# KiCad board beelzebub_expansion_board.kicad_pcb
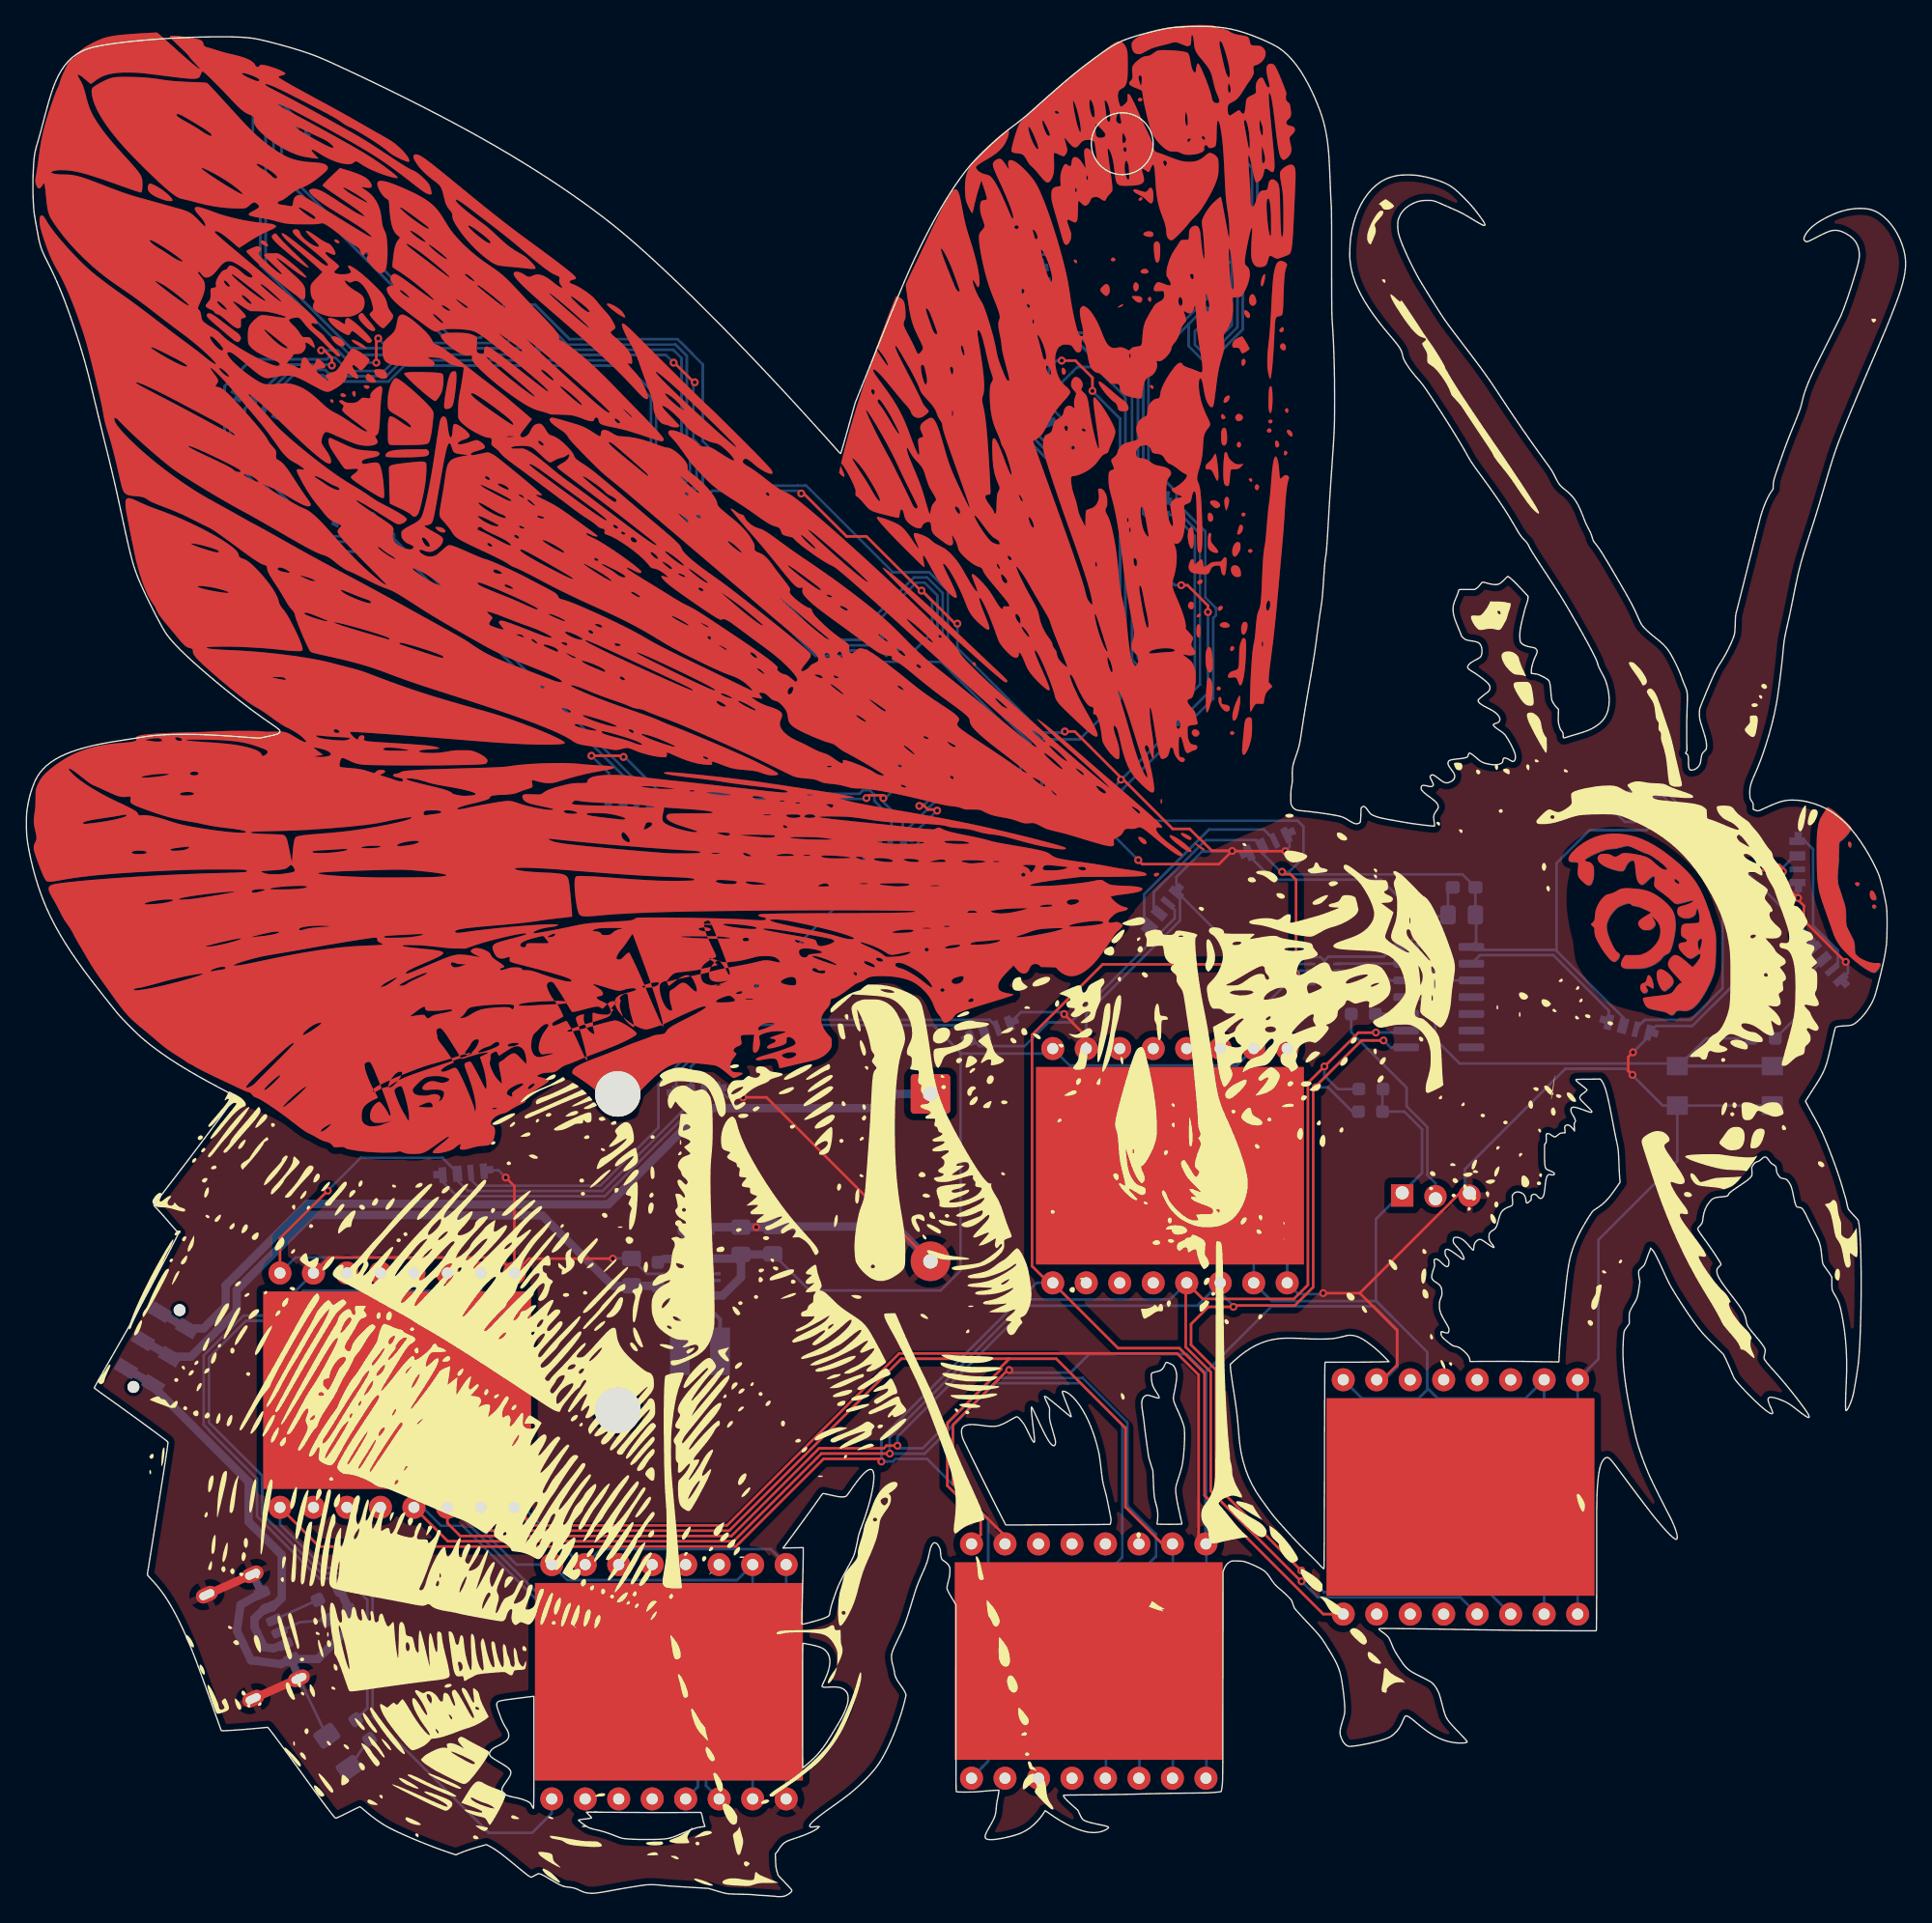
[diagram p0: board, top side]
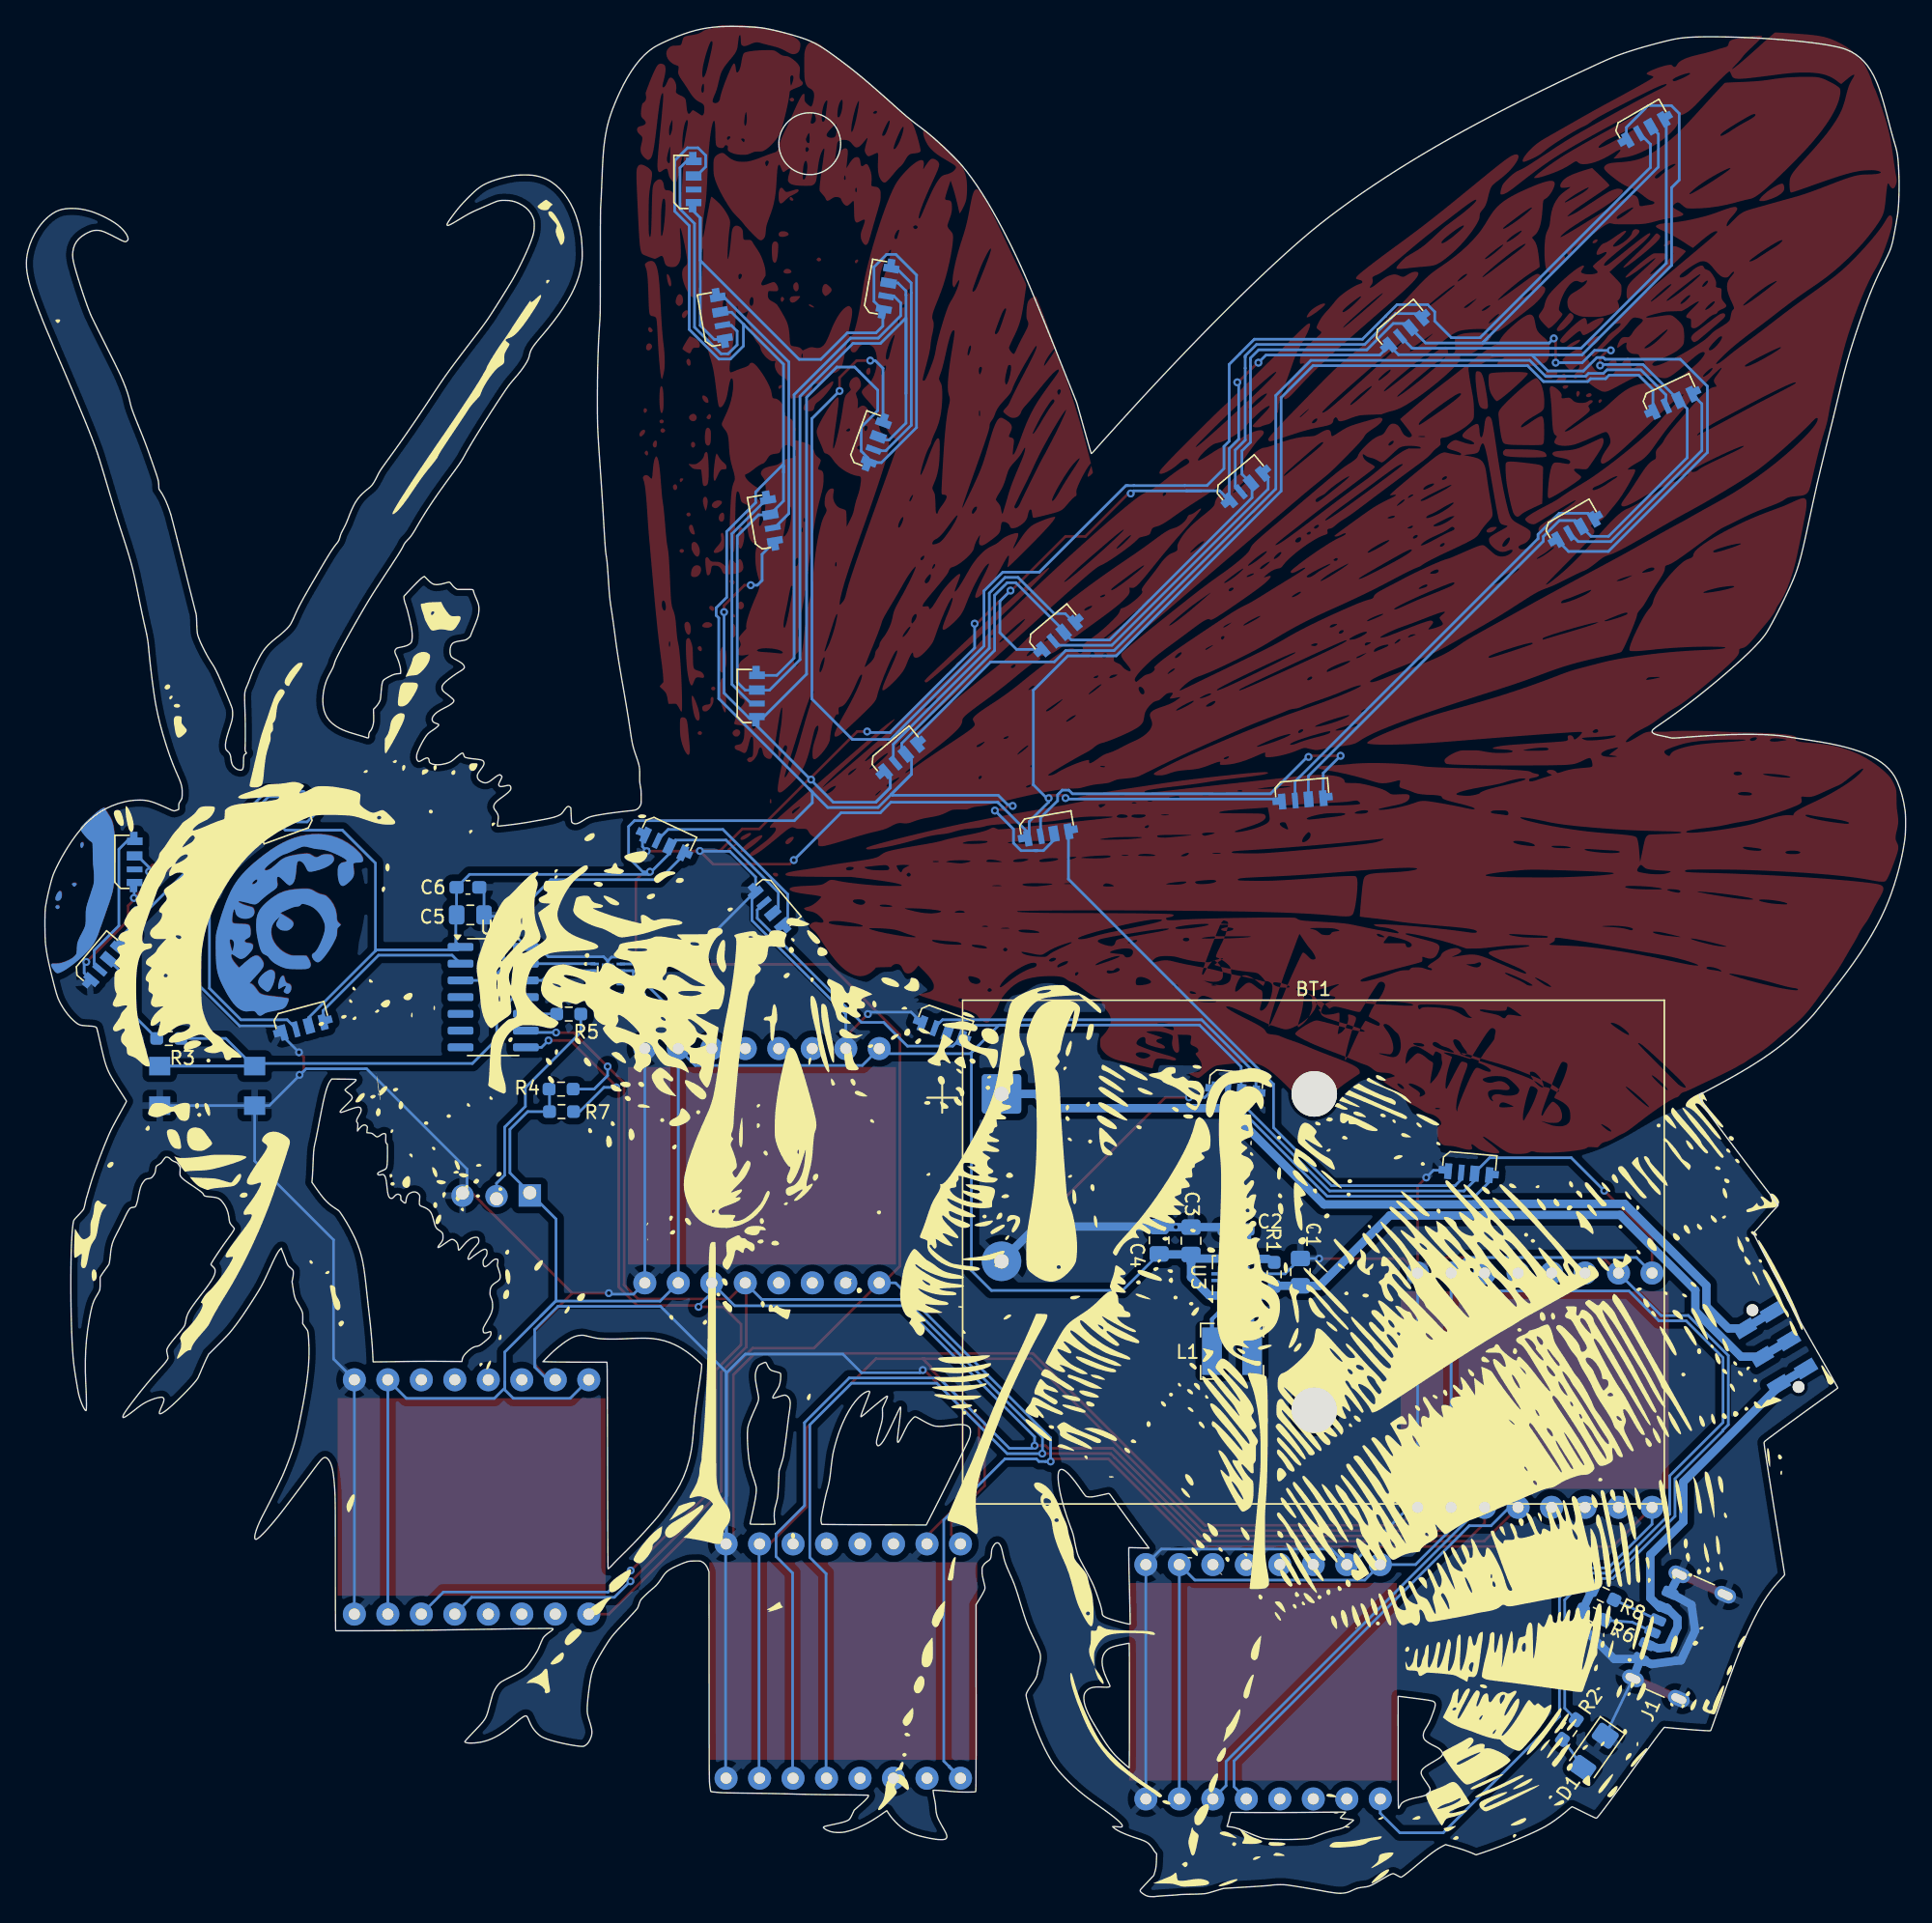
[diagram p1: board, bottom side, seen from below]

Outline 142.53 x 141.91 mm; copper layers: Top, Bottom. Coordinates in mm from the lower left corner of the outline.
Outline path: circle c83.12,133.01 r2.35

## Placement (name value [footprint] x y rotation side)
BT1  Battery  [BatteryHolder_Keystone_2479_3xAAA]  68.57 60.91 180 bottom
C1  10uF  [C_0805_2012Metric_Pad1.18x1.45mm_HandSolder]  45.9 47.39 90 bottom
C2  0.1uF  [C_0603_1608Metric_Pad1.08x0.95mm_HandSolder]  50.79 50.63 0 bottom
C3  10uF  [C_0805_2012Metric_Pad1.18x1.45mm_HandSolder]  54.2 49.76 90 bottom
C4  10uF  [C_0805_2012Metric_Pad1.18x1.45mm_HandSolder]  56.62 49.81 90 bottom
C5  10uF  [C_0805_2012Metric_Pad1.18x1.45mm_HandSolder]  108.86 74.49 180 bottom
C6  0.1uF  [C_0603_1608Metric_Pad1.08x0.95mm_HandSolder]  109.04 76.58 180 bottom
D1  LED  [LED_1206_3216Metric_Pad1.42x1.75mm_HandSolder]  23.64 10.99 305 bottom
D2  WS2812_4020  [sk6812-side-a]  93.54 81.32 25 bottom
D3  WS2812_4020  [sk6812-side-a]  77.22 87.56 320 bottom
D4  WS2812_4020  [sk6812-side-a]  85.05 76 50 bottom
D5  WS2812_4020  [sk6812-side-a]  65.25 96.81 320 bottom
D6  WS2812_4020  [sk6812-side-a]  72.61 67.19 20 bottom
D7  WS2812_4020  [sk6812-side-a]  51.04 108.13 320 bottom
D8  WS2812_4020  [sk6812-side-a]  50.75 62.67 5 bottom
D9  WS2812_4020  [sk6812-side-a]  38.96 119.93 320 bottom
D10  WS2812_4020  [sk6812-side-a]  33.05 56.46 5 bottom
D11  WS2812_4020  [sk6812-side-a]  65.36 82.1 350 bottom
D12  WS2812_4020  [sk6812-side-a]  45.92 84.78 355 bottom
D13  WS2812_4020  [sk6812-side-a]  25.84 105.07 330 bottom
D14  WS2812_4020  [sk6812-side-a]  18.34 114.75 335 bottom
D15  WS2812_4020  [sk6812-side-a]  121.99 67.46 345 bottom
D16  WS2812_4020  [sk6812-side-a]  20.54 135.41 330 bottom
D17  WS2812_4020  [sk6812-side-a]  122.53 80.52 160 bottom
D18  WS2812_4020  [sk6812-side-a]  79.57 110.83 290 bottom
D19  WS2812_4020  [sk6812-side-a]  78.78 122.22 280 bottom
D20  WS2812_4020  [sk6812-side-a]  88.7 91.05 270 bottom
D21  WS2812_4020  [sk6812-side-a]  87.56 104.1 260 bottom
D22  WS2812_4020  [sk6812-side-a]  91.36 119.47 260 bottom
D23  WS2812_4020  [sk6812-side-a]  93.49 130.05 270 bottom
D24  WS2812_4020  [sk6812-side-a]  137.83 71.75 310 bottom
D25  WS2812_4020  [sk6812-side-a]  135.89 78.46 270 bottom
J1  USB_C_Receptacle_USB2.0_14P  [USB_C_Receptacle_GCT_USB4125-xx-x-0190_6P_TopMnt_Horizontal]  16.18 19.29 114 bottom
J3  Conn_01x03_Pin  [night_evil_ai_updi]  106.85 53.4 180 bottom
L1  SRN4018-2R2M  [L_Bourns-SRN4018]  51.09 41.38 0 bottom
MB1  MiniBadge_Full  [MiniBadge_Slot_Reflective]  17.96 48.59 0 top
MB2  MiniBadge_Full  [MiniBadge_Slot_Reflective]  76.58 65.62 0 top
MB3  MiniBadge_Full  [MiniBadge_Slot_Reflective]  98.61 40.49 0 top
MB4  MiniBadge_Full  [MiniBadge_Slot_Reflective]  70.42 28.03 0 top
MB5  MiniBadge_Full  [MiniBadge_Slot_Reflective]  38.58 26.47 0 top
R1  100 ohm  [R_0603_1608Metric_Pad0.98x0.95mm_HandSolder]  47.89 47.21 90 bottom
R2  15 ohm  [R_0603_1608Metric_Pad0.98x0.95mm_HandSolder]  25.51 12.68 305 bottom
R3  100k ohm  [R_0603_1608Metric_Pad0.98x0.95mm_HandSolder]  131.73 65.11 180 bottom
R4  4.7k ohm  [R_0603_1608Metric_Pad0.98x0.95mm_HandSolder]  101.98 61.27 180 bottom
R5  220 ohm  [R_0603_1608Metric_Pad0.98x0.95mm_HandSolder]  101.4 66.97 0 bottom
R6  5.1k  [R_0603_1608Metric_Pad0.98x0.95mm_HandSolder]  23.67 21.36 205 bottom
R7  4.7k ohm  [R_0603_1608Metric_Pad0.98x0.95mm_HandSolder]  101.95 59.56 180 bottom
R8  5.1k  [R_0603_1608Metric_Pad0.98x0.95mm_HandSolder]  22.94 22.91 205 bottom
REF**  -  [beelzebub_expansion_board_inner_cuts]  78 70.2 0 top
REF**#2  -  [beelzebub_main_front_silk]  71.08 61.83 0 top
REF**#3  -  [beelzebub_main_mask]  67.82 83.27 0 top
REF**#4  -  [beelzebub_expansion_edge_cut]  81.91 82.52 0 top
REF**#5  -  [beelzebub_back_silk]  28.6 70.31 0 top
REF**#6  -  [beelzebub_main_mask]  68.01 83.59 0 top
REF**#7  -  [beelzebub_main_front_copper]  56.15 97.77 0 top
SW1  SW_DPDT  [js202011jaqn]  9.7 42.27 329 bottom
SW2  SW_Push  [button_switch_TL3305A]  128.82 61.02 180 bottom
U1  ATtiny814-SS  [SOIC-14_3.9x8.7mm_P1.27mm]  107.13 68.25 180 bottom
U3  TPS63001DRCR  [Texas_DRC0010J]  50.96 47.01 90 bottom
U4  A3910EEETR-T  [DFN-8_ALM]  98.44 70 180 bottom

## Library data of the parts
C1-C6 = -: Description: Unpolarized capacitor; ki_fp_filters: C_*
D1 = -: ki_fp_filters: LED* LED_SMD:* LED_THT:*
D2-D25 = -: Datasheet: https://datasheet.lcsc.com/lcsc/2012110135_Worldsemi-WS2812B-4020_C965557.pdf; Description: 4020 SMD adressable RGB LED with integrated controller; ki_fp_filters: LED*SK6812MINI*PLCC*3.5x3.5mm*P1.75mm*
J1 = -: Datasheet: https://www.usb.org/sites/default/files/documents/usb_type-c.zip; Description: USB 2.0-only 14P Type-C Receptacle connector; ki_fp_filters: USB*C*Receptacle*
J3 = -: Description: Generic connector, single row, 01x03, script generated; ki_fp_filters: Connector*:*_1x??_*
L1 = -: ki_fp_filters: IND_BOURNS_SRN4018
R1-R5 R7 = -: ki_fp_filters: R_*
R6 R8 = -: Description: Resistor, US symbol; ki_fp_filters: R_*
SW2 = -: Description: Push button switch, generic, two pins
U1 = -: Datasheet: http://ww1.microchip.com/downloads/en/DeviceDoc/40001912A.pdf; Description: 20MHz, 8kB Flash, 512B SRAM, 128B EEPROM, SOIC-14; ki_fp_filters: SOIC*3.9x8.7mm*P1.27mm*
U3 = -: ki_fp_filters: DRC0010J
U4 = -: ki_fp_filters: DFN-8_ALM DFN-8_ALM-M DFN-8_ALM-L

## Footprints (pads in the part's own frame, mm; a bottom-side part is the same pattern mirrored in y, then rotated)
BatteryHolder_Keystone_2479_3xAAA
  round 3.45 hole 3.45 unplated: (23.72,-24) (23.72,0)
  rrect 3x3 hole 1.1: 1(0,0)
  round 3 hole 1.1: 2(0,-12.7)
button_switch_TL3305A
  rect 1.6x1.4 smd: 1(-3.6,2) 1(3.6,2) 2(-3.6,-1) 2(3.6,-1)
C_0603_1608Metric_Pad1.08x0.95mm_HandSolder
  rrect 1.075x0.95 smd: 1(-0.863,0) 2(0.863,0)
C_0805_2012Metric_Pad1.18x1.45mm_HandSolder
  rrect 1.175x1.45 smd: 1(-1.038,0) 2(1.038,0)
DFN-8_ALM
  rect 0.635x0.203 smd: 1(-0.991,0.762) 2(-0.991,0.254) 3(-0.991,-0.254) 4(-0.991,-0.762) 5(0.991,-0.762) 6(0.991,-0.254) 7(0.991,0.254) 8(0.991,0.762)
  rect 0.889x1.6 smd: 9(0,0)
js202011jaqn
  round 0.9 hole 0.9 unplated: (0.5,-2.9) (0.5,3.9)
  rect 1.6x1 smd: 1(-0.7,3) 1(1.7,3) 2(-0.7,0.5) 2(1.7,0.5) 3(-0.7,-2) 3(1.7,-2)
L_Bourns-SRN4018
  rect 1.5x3.6 smd: 1(-1.525,0) 2(1.525,0)
LED_1206_3216Metric_Pad1.42x1.75mm_HandSolder
  rrect 1.425x1.75 smd: 1(-1.488,0) 2(1.488,0)
MiniBadge_Slot_Reflective
  round 1.75 hole 0.85: 1(1.27,-1.27) 2(3.81,-1.27) 3(6.35,-1.27) 4(8.89,-1.27) 5(11.43,-1.27) 6(13.97,-1.27) 7(16.51,-1.27) 8(19.05,-1.27) 9(1.27,-19.05) 10(3.81,-19.05) 11(6.35,-19.05) 12(8.89,-19.05) 13(11.43,-19.05) 14(13.97,-19.05) 15(16.51,-19.05) 16(19.05,-19.05)
night_evil_ai_updi
  rect 1.7x1.7 hole 1: 1(2.5,0)
  oval 1.7x1.7 hole 1: 2(-0.025,-0.458) 3(-2.601,-0.017)
R_0603_1608Metric_Pad0.98x0.95mm_HandSolder
  rrect 0.975x0.95 smd: 1(-0.912,0) 2(0.912,0)
sk6812-side-a
  custom 1.003x1.188 smd: 1(-1.618,1.543)
  custom 0.704x1.193 smd: 2(-0.491,1.506)
  custom 0.443x1.187 smd: 3(0.521,1.484)
  custom 1.002x1.193 smd: 4(1.605,1.499)
SOIC-14_3.9x8.7mm_P1.27mm
  rrect 1.95x0.6 smd: 1(-2.475,3.81) 2(-2.475,2.54) 3(-2.475,1.27) 4(-2.475,0) 5(-2.475,-1.27) 6(-2.475,-2.54) 7(-2.475,-3.81) 8(2.475,-3.81) 9(2.475,-2.54) 10(2.475,-1.27) 11(2.475,0) 12(2.475,1.27) 13(2.475,2.54) 14(2.475,3.81)
Texas_DRC0010J
  rrect 0.25x0.34 smd: (-0.25,-1.53) (-0.25,1.53) (0.25,-1.53) (0.25,1.53)
  rrect 1.5x1.06 smd: (0,-0.63) (0,0.63)
  rrect 0.6x0.24 smd: 1(-1.4,1) 2(-1.4,0.5) 3(-1.4,0) 4(-1.4,-0.5) 5(-1.4,-1) 6(1.4,-1) 7(1.4,-0.5) 8(1.4,0) 9(1.4,0.5) 10(1.4,1)
  custom 1.65x3.4 smd: 11(0,0)
USB_C_Receptacle_GCT_USB4125-xx-x-0190_6P_TopMnt_Horizontal
  rrect 0.7x1.2 smd: A5(-0.5,3.08) B5(0.5,3.08)
  rrect 0.76x1.2 smd: A9(1.52,3.08) B9(-1.52,3.08)
  rrect 0.8x1.2 smd: A12(2.75,3.08) B12(-2.75,3.08)
  oval 1.1x1.7 hole 0.6x1.2: S1(-4.32,-0.8) S1(-4.32,3) S1(4.32,-0.8) S1(4.32,3)

## Nets
+3V3: C3.1 C4.1 C5.1 C6.1 D2.2 D3.2 D4.2 D5.2 D6.2 D7.2 D8.2 D9.2 D10.2 D11.2 D12.2 D13.2 D14.2 D15.2 D16.2 D17.2 D18.2 D19.2 D20.2 D21.2 D22.2 D23.2 D24.2 D25.2 J3.1 MB1.1 MB1.7 MB1.15 MB2.1 MB2.7 MB2.15 MB3.1 MB3.7 MB3.15 MB4.1 MB4.7 MB4.15 MB5.1 MB5.7 MB5.15 R2.1 R3.1 R4.1 R7.1 U1.1 U3.1 U3.10 U4.7
GND: BT1.2 C1.2 C2.2 C3.2 C4.2 C5.2 C6.2 D1.1 D2.4 D3.4 D4.4 D5.4 D6.4 D7.4 D8.4 D9.4 D10.4 D11.4 D12.4 D13.4 D14.4 D15.4 D16.4 D17.4 D18.4 D19.4 D20.4 D21.4 D22.4 D23.4 D24.4 D25.4 J1.A12 J1.B12 J1.S1 J3.3 MB1.2 MB1.8 MB1.16 MB2.2 MB2.8 MB2.16 MB3.2 MB3.8 MB3.16 MB4.2 MB4.8 MB4.16 MB5.2 MB5.8 MB5.16 R6.1 R8.1 SW2.2 U1.14 U3.3 U3.9 U3.11 U4.6 U4.9
VBUS: J1.A9 J1.B9 SW1.1
BATT: BT1.1 SW1.3
BUTTON: R3.2 SW2.1 U1.11
EYE_LED_ARRAY: D15.1 U1.2
MAIN_LED_ARRAY: D2.1 U1.3
MB_CLOCK: MB1.9 MB2.9 MB3.9 MB4.9 MB5.9 U4.8
MB_CLOCK_H: U1.13 U4.1
MB_CLOCK_L: U1.12 U4.2
PA6: U1.4
PA7: U1.5
PB2: U1.7
PB3: U1.6
SCL: MB1.13 MB2.13 MB3.13 MB4.13 MB5.13 R4.2 U1.9
SDA: MB1.14 MB2.14 MB3.14 MB4.14 MB5.14 R7.2 U1.8
UPDI: J3.2 R5.1
Net-(D1-A): D1.2 R2.2
Net-(D2-DOUT): D2.3 D4.1
Net-(D3-DOUT): D3.3 D5.1
Net-(D4-DOUT): D4.3 D6.1
Net-(D5-DOUT): D5.3 D7.1
Net-(D6-DOUT): D6.3 D8.1
Net-(D7-DOUT): D7.3 D9.1
Net-(D10-DIN): D8.3 D10.1
Net-(D10-DOUT): D10.3 D11.1
Net-(D11-DOUT): D11.3 D12.1
Net-(D12-DOUT): D12.3 D13.1
Net-(D13-DOUT): D13.3 D14.1
Net-(D14-DOUT): D3.1 D14.3
Net-(D15-DOUT): D15.3 D17.1
Net-(D16-DIN): D9.3 D16.1
Net-(D16-DOUT): D16.3 D18.1
Net-(D17-DOUT): D17.3 D24.1
Net-(D18-DOUT): D18.3 D19.1
Net-(D19-DOUT): D19.3 D20.1
Net-(D20-DOUT): D20.3 D21.1
Net-(D21-DOUT): D21.3 D22.1
Net-(D22-DOUT): D22.3 D23.1
Net-(D24-DOUT): D24.3 D25.1
Net-(J1-CC1): J1.A5 R6.2
Net-(J1-CC2): J1.B5 R8.2
Net-(SW1-B): C1.1 R1.1 SW1.2 U3.5
Net-(U1-~{RESET}/PA0): R5.2 U1.10
Net-(U3-EN): C2.1 R1.2 U3.6 U3.7 U3.8
Net-(U3-L1): L1.1 U3.4
Net-(U3-L2): L1.2 U3.2

Pads without a net: D23 3; D25 3; MB1 3 4 5 6 10 11 12; MB2 3 4 5 6 10 11 12; MB3 3 4 5 6 10 11 12; MB4 3 4 5 6 10 11 12; MB5 3 4 5 6 10 11 12; U4 3 4 5

## Via types
v1: diameter 0.6, hole 0.3, Top to Bottom, 64 vias

## Routing (per net, layer and track width the routed paths; a pad name or vN(x,y) marks a point on that pad's centre or on a via; arc(x,y) is an arc through that point)
+3V3: length 942.8
  Top w0.2: 74.43,40.82 78.11,40.82 83.36,35.56 83.36,29.56 86.16,26.76 MB4.7 86.93,27.04 ; 74.43,40.82 66.36,40.82 53.31,27.77 35.26,27.77 34.47,28.55 MB1.15 ; 74.43,40.82 74.44,40.81 74.55,40.81 74.3,40.56 74.3,40.56 73.94,40.2 73.94,40.03 69.87,35.96 69.87,35.63 69.85,35.61 69.85,31.18 72.38,28.65 72.38,27.46 MB4.1 ; v1(127.11,78.89) 127.73,78.28 129.1,78.28 129.11,78.29 129.61,78.29 129.61,78.28 132.97,78.28 133.23,78.02 v1(133.23,77.77) ; v1(67.73,82.76) 67.92,82.76 68.01,82.86 68.38,82.48 69,82.48 v1(69.08,82.41) ; v1(22.36,117.32) 22.6,117.32 23.17,116.75 v1(23.17,116.18) ; v1(95.24,77.76) 95.42,77.59 95.86,77.59 96.3,77.15 v1(96.3,70) ; v1(134.17,74.87) 134.38,74.66 v1(134.38,72.96) ; v1(26.69,118.23) 26.67,118.25 26.6,118.25 26.54,118.19 v1(26.54,116.39) ; MB1.1 19.23,49.94 v1(22.86,53.56)
  Bottom w0.2: 103.51,44.06 106.25,41.32 106.25,38.68 ; 103.51,44.06 102.36,45.21 102.36,51.41 J3.1 105.86,54.91 105.86,58.22 104.51,59.56 R7.1 102.86,61.24 R4.1 ; 103.51,44.06 102.38,45.19 94.47,45.19 MB2.15 MB2.7 ; D15.2 121.13,66.69 116.06,71.76 ; 123.35,81.53 123.35,81.38 122.89,80.92 118.56,80.92 116.06,78.41 116.06,71.76 116.06,71.76 ; 66.36,66.13 66.38,66.11 71.24,66.11 ; 66.36,66.13 68.76,66.13 70.34,64.55 ; 66.36,66.13 53.56,66.13 50.4,62.97 D8.2 50.4,60.24 43.7,53.54 33.49,53.54 32.69,54.34 D10.2 31.55,56.06 25.36,56.06 v1(22.86,53.56) ; R2.1 25.86,14.3 25.86,22.51 23.83,24.54 22.38,24.54 17.89,29.03 17.89,31.93 13.85,35.98 13.85,40.89 16.65,43.69 18.72,43.69 20.98,45.95 33.11,45.95 MB1.7 ; D22.2 89.05,120.22 88.13,119.3 ; 134.23,66.7 134.38,66.85 v1(134.38,72.96) ; 134.23,66.7 134.38,66.85 134.38,69.17 D24.2 ; 134.23,66.7 R3.1 132.63,65.13 ; D19.2 76.42,122.44 75.83,121.84 75.83,121.53 75.82,121.53 75.82,114.06 ; 86.96,26.85 86.96,9.02 MB4.15 ; MB5.15 MB5.7 53.91,24.02 41.02,24.02 MB5.1 37.17,25.2 34.47,27.89 MB1.15 MB1.7 ; 52.81,45.61 52.82,45.61 ; 75.82,114.06 75.82,111.81 77.1,110.53 77.73,110.53 D18.2 ; 75.82,114.06 75.82,119.79 77.75,117.85 79.84,117.85 83.86,113.83 83.86,93.86 86.17,91.54 D20.2 88.01,91.54 88.62,92.15 88.62,103.24 87.01,104.85 D21.2 86.16,104.85 85.11,105.9 85.11,108.06 ; U4.7 96.55,70.26 ; 96.55,70.26 96.46,70.17 96.46,70.15 v1(96.3,70) ; 96.55,70.26 93.09,66.79 MB2.7 ; 88.13,119.3 88.15,119.28 88.15,117.66 89.14,116.66 90.01,116.66 92.26,118.92 92.26,126.78 93.36,127.89 93.36,131.34 93.35,131.36 93.35,131.73 92.39,132.69 91.58,132.69 91.01,132.12 91.01,131.25 91.73,130.54 D23.2 ; 88.13,119.3 85.11,116.28 85.11,108.06 ; MB1.7 33.3,48.49 20.41,48.49 MB1.1 ; MB1.7 34.53,47.37 ; C3.1 54.2,48.49 54.11,48.41 ; 85.11,108.06 85.11,108.56 85.17,108.63 87.22,106.58 87.22,105.77 89.42,103.57 89.42,98.58 90.22,97.78 90.22,97.22 90.02,97.02 90.02,90.91 82.93,83.81 82.93,83 84.28,81.64 96.41,81.64 96.86,81.19 96.86,78.84 95.78,77.76 95.2,77.76 95.21,77.76 v1(95.24,77.76) ; D3.2 75.4,86.25 75.4,85.17 ; 116.06,71.76 115.99,71.83 109.83,71.83 U1.1 109.96,72.42 109.96,74.43 C5.1 109.91,74.49 C6.1 108.92,77.56 95.34,77.56 93.73,79.17 D2.2 93.31,80.17 89.46,80.17 85.5,76.21 85.5,75.04 D4.2 ; 71.23,66.11 71.24,66.11 ; 71.24,66.11 71.82,66.11 71.83,66.11 72.16,66.11 D6.2 ; 64.61,80.32 D11.2 64.61,80.15 65.4,79.36 66.04,79.36 ; D17.2 123.82,81.76 123.82,80.86 124.2,80.48 125.54,80.48 126.86,79.16 126.86,79.15 v1(127.11,78.89) ; 52.12,45.61 52.09,45.58 ; 70.34,64.55 70.86,64.03 70.86,47.51 69.35,45.99 59.39,45.99 C4.1 56.57,48.73 ; 70.34,64.55 70.93,63.96 77.46,63.96 MB2.1 79.13,63.06 91.8,63.06 MB2.7 ; 83.19,84.08 81.75,82.64 77.93,82.64 75.4,85.17 ; 66.1,79.36 65.86,79.36 67.09,79.36 67.66,79.94 67.66,81 69.15,82.49 69.23,82.41 v1(69.08,82.41) ; 75.4,85.17 76.93,83.64 76.86,83.56 68.82,83.56 68.11,82.86 67.82,82.86 v1(67.73,82.76) ; 26.54,116.49 v1(26.54,116.39) 24.53,116.39 23.6,117.32 v1(22.36,117.32) ; MB3.15 MB3.7 113.71,37.8 107.04,37.8 106.25,38.6 ; 37.69,119.37 37.51,119.19 D9.2 36.4,117.88 32.11,117.88 18.75,131.24 18.75,133.74 D16.2 ; D12.2 45.3,85.02 27.48,102.84 27.48,103.2 26.27,104.41 25.05,104.41 23.86,103.21 22.53,103.21 16.57,109.18 16.57,112.9 D14.2 19.91,116.25 22.96,116.25 23.01,116.29 23.06,116.29 v1(23.17,116.18) ; D25.2 134.09,78.95 133.23,78.09 v1(133.23,77.77) 133.19,77.74 133.19,75.86 133.63,75.41 133.63,75.4 v1(134.17,74.87) ; v1(26.69,118.23) 27.04,117.88 32.09,117.88 31.74,118.23 ; 106.25,38.6 106.25,38.46 105.61,37.81 101.28,37.81 MB3.1 ; 106.25,38.6 106.25,39.06 ; 76.1,86.8 75.72,86.42 ; 37.85,119.36 38.87,119.36 40.86,117.37 49.07,117.37 49.69,116.74 49.69,116.64 49.69,110.35 50.34,109.7 50.34,107.94 D7.2 49.57,107.17 49.57,106.15 60.37,95.35 63.28,95.35 D5.2 63.91,96.11 67.49,99.7 68.14,99.7 69.1,98.74 69.1,94.56 76.14,87.51 76.14,87.06
  Bottom w0.635: 52.16,48.41 54.02,48.41 54.16,48.55 54.2,48.52 54.2,48.06 ; 56.57,48.73 C3.1 54.2,48.06 ; 54.2,48.06 54.2,47 52.81,45.61 52.12,45.61
GND: length 1037.3
  Top w0.2: MB1.16 38.38,28.17 53.15,28.17 66.19,41.22 87.28,41.22 88.91,39.59 88.91,27.32 MB4.8 ; v1(70.61,96.59) 70.44,96.59 69.91,97.12 69.91,97.12 67.93,99.1 v1(67.89,99.1) 67.83,99.1 63.72,103.2 62.22,103.2 58.95,106.46 v1(58.78,106.46) ; v1(129.37,77.39) 129.86,77.88 132.27,77.88 132.63,77.53 132.63,77.52 132.98,77.17 132.98,77.17 v1(134.38,75.77) 134.36,75.75 134.36,75.65 134.82,75.18 134.82,74.07 137.97,70.92 v1(137.99,70.92) ; v1(50.69,114.9) 50.63,114.9 49.14,116.39 v1(49.09,116.39) ; MB2.2 80.39,65.26 79.38,66.27 79.38,66.29 v1(78.71,66.96) ; MB1.2 22.95,48.49 35.84,48.49 MB1.8 ; BT1.2 56.14,60.64 v1(54.36,60.64) ; 73.7,39.22 74.43,39.96 v1(74.54,39.96) ; 73.7,39.22 73.29,38.81 ; 73.7,39.22 70.27,35.8 70.27,31.32 74.23,27.37 MB4.2 ; v1(106.68,74.1) 106.64,74.1 105.69,73.15 105.69,73.15 v1(105.4,72.86) ; 87.8,99.51 v1(87.59,99.51) 88.07,99.51 89.62,97.96 v1(89.62,97.47) ; J3.3 108.72,53.39 108.03,52.69 108.03,52.67 107.35,52 107.33,52 101.14,45.8 101.14,45.79 ; v1(78.76,88.4) 79.52,88.4 83.02,84.9 v1(83.02,84.76) 83.02,84.72 83.04,84.7 83.27,84.7 86.95,81.02 88.23,81.02 88.96,80.29 88.98,80.29 89.9,79.37 91.43,79.37 v1(91.46,79.34) ; MB1.8 37.01,53.91 v1(36.36,54.56) ; MB1.8 38.11,48.41 v1(44.48,48.41) ; v1(91.46,79.34) 90.45,78.34 84.64,78.34 v1(84.33,78.65) ; v1(91.46,79.34) 91.8,79.34 91.82,79.33 v1(95.49,79.33) ; v1(121.82,62.35) 121.55,62.62 121.54,62.62 121.5,62.66 121.5,63.7 v1(121.86,64.06) ; MB3.2 102.84,39.22 103.96,40.34 103.96,42.96 101.14,45.79 ; v1(98.36,45.79) 98.36,45.79 101.14,45.79 ; v1(65,83.35) 65,83.48 64.92,83.56 63.93,83.56 v1(63.72,83.35)
  Top w0.635: J1.S1 J1.S1 ; J1.S1 J1.S1
  Bottom w0.2: 95.35,79.47 v1(95.49,79.33) 95.49,79.35 95.81,79.66 95.81,80.46 D2.4 ; U1.14 104.65,72.12 v1(105.4,72.86) ; D7.4 51.37,105.88 51.79,105.88 ; D7.4 52.02,106.67 54.51,106.67 54.51,106.66 ; D7.4 51.3,109.87 50.58,110.59 50.58,114.79 v1(50.69,114.9) ; 104.98,72.06 103.69,72.06 102.94,71.32 98.75,71.32 98.44,71 ; MB1.2 18.55,44.1 16.48,44.1 13.45,41.06 13.45,35.81 13.86,35.4 13.86,35.34 17.49,31.71 17.49,28.86 22.22,24.14 23.41,24.14 23.77,23.78 R8.1 ; v1(58.78,106.46) 58.58,106.66 54.51,106.66 ; 98.45,71 98.46,71.02 ; 105.36,72.06 104.46,72.06 104.34,72.18 104.4,72.18 ; D25.4 134.36,76.82 134.36,75.79 v1(134.38,75.77) ; D6.4 74.63,66.31 75.43,67.11 78.56,67.11 78.71,66.96 v1(78.71,66.96) ; MB5.16 MB5.8 56.45,26.37 43.56,26.37 MB5.2 42.02,25.2 37.68,29.54 MB1.16 MB1.8 ; 91.42,127.38 91.42,124.14 83.92,116.64 82.28,116.64 80.27,118.65 78.09,118.65 77.58,119.16 D19.4 78.25,121.04 78.25,123.65 77.29,124.6 76.58,124.6 75.02,123.04 75.02,111.47 77.68,108.81 D18.4 78.71,109.17 79.21,109.68 79.21,111.5 77.96,112.75 77.96,114.31 79.36,115.71 79.36,115.71 79.71,116.06 81.06,116.06 83.36,113.76 83.36,92.76 86.68,89.44 D20.4 ; 91.42,127.38 91.99,127.95 D23.4 ; 91.42,127.38 91.42,119.21 90.36,118.15 D22.4 ; 98.44,71 98.15,71.29 92.22,71.29 87.24,76.27 D4.4 ; 98.44,71 U4.9 98.18,69.75 U4.6 96.94,69.75 95.63,68.44 MB2.8 MB2.16 96.48,45.71 98.28,45.71 v1(98.36,45.79) ; v1(106.68,74.1) 106.97,74.39 107.73,74.39 C5.2 107.83,76.22 C6.2 ; 125.22,60.56 SW2.2 ; SW2.2 SW2.2 ; SW2.2 124.11,60.02 121.32,62.81 116.72,62.81 109.11,55.2 109.11,53.73 J3.3 ; SW2.2 125.22,55.82 119.24,49.84 119.24,40.8 MB3.8 MB3.16 ; 56.57,50.8 C4.2 ; v1(70.61,96.59) 70.61,94.74 77.03,88.33 78.69,88.33 v1(78.76,88.4) ; D20.4 87.73,89.44 89.62,91.33 v1(89.62,97.47) ; D20.4 87.26,89.38 87.26,88.96 81.33,83.04 78.1,83.04 77,84.14 77,84.9 D3.4 77.01,84.91 77.01,84.14 78.11,83.04 ; v1(74.54,39.96) 74.74,39.76 79.2,39.76 80.61,41.17 88.01,41.17 89.43,39.75 89.43,26.81 MB4.8 89.47,39.82 94.43,44.79 102.22,44.79 103.98,43.02 103.98,40.19 103.01,39.22 MB3.2 ; D4.4 87.5,75.99 87.5,74.07 80.39,66.95 MB2.2 ; D4.4 87.23,77.36 89.17,79.31 91.42,79.31 v1(91.46,79.34) ; D1.1 J1.S1 ; 54.51,106.66 54.56,106.66 ; 54.51,106.66 53.42,106.66 ; v1(54.36,60.64) 53.16,60.64 D8.4 ; 31.46,117 38.47,117 D9.4 39.58,117.75 39.34,117.51 39.88,116.97 48.52,116.97 v1(49.09,116.39) ; D13.4 25.57,102.06 22.55,102.06 15.04,109.58 15.04,114.6 17.08,116.65 22.79,116.65 22.92,116.78 23.42,116.78 24.44,115.76 27.14,115.76 28.37,116.99 31.36,116.99 31.35,116.98 26.8,116.98 26.79,116.99 26.29,116.99 26.29,116.98 24.54,116.98 17.75,123.78 17.75,129.67 17.17,130.25 17.17,135.3 17.77,135.9 19.53,135.9 21.18,134.24 D16.4 ; D21.4 86.73,101.85 86.73,99.87 87.1,99.51 v1(87.59,99.51) ; v1(44.48,48.41) 44.5,48.42 C1.2 47.07,47.26 50.71,47.26 U3.11 ; v1(36.36,54.56) 35.81,55.11 D10.4 ; D5.4 67.43,94.63 68.7,95.9 68.7,98.29 v1(67.89,99.1) ; 121.37,82.24 121.37,82.61 122.23,83.46 124.16,83.46 129.36,78.27 129.36,77.4 129.4,77.36 129.4,69.11 126.36,66.06 123.62,66.06 D15.4 123.16,65.36 v1(121.86,64.06) ; D24.4 137.71,69.65 138.15,70.09 138.15,70.77 v1(137.99,70.92) ; 47.3,83.23 D12.4 47.52,83.28 63.49,83.28 63.57,83.35 v1(63.72,83.35) ; 51.46,50.44 C2.2 ; v1(84.33,78.65) 80.74,82.24 77.77,82.24 76.97,83.04 68.86,83.04 68.83,83.01 68.83,83.01 68.48,82.65 68.48,82.65 66.68,80.85 D11.4 66.47,80.55 66.47,81.57 65,83.05 v1(65,83.35) 65.14,83.35 66.15,84.36 66.16,84.36 66.16,91.53 63.54,94.15 59.87,94.15 47.37,106.65 47.37,113.74 44.94,116.16 28.67,116.16 27.47,114.96 24.11,114.96 23.89,115.18 22.76,115.18 22.49,115.44 20.25,115.44 19.16,114.36 D14.4 ; MB4.16 89.5,9.02 89.5,26.85 ; 96.21,80.68 96.18,80.71
  Bottom w0.3: 51.46,50.44 U3.9 51.46,47.51 U3.11 U3.3
  Bottom w0.635: BT1.2 65.94,50.84 C4.2 ; 56.57,50.8 C3.2 51.82,50.8 C2.2 ; R8.1 R6.1 24.5,20.43 22.1,18.03 J1.B12 ; J1.S1 J1.A12 16.24,22.14 15.97,20.18 17.04,17.92 17.48,17.88 19.28,17.64 J1.B12 ; J1.B12 J1.S1
  vias: v1(49.24,47.26) v1(50.2,47.53) v1(50.28,46.55) v1(50.87,47.53) v1(50.97,46.56) v1(51.47,49.57) v1(51.7,47.48) v1(51.7,46.56) v1(55.36,50.8)
VBUS: length 29.5
  Bottom w0.635: SW1.1 9.53,38.92 ; J1.B9 18.74,18.84 18.03,18.93 17.3,20.45 17.3,21.1 18.14,21.93 J1.A9 18.64,21.93 19.36,22.66 19.36,25.94 16.86,28.44 16.86,31.47 9.3,39.03
BATT: length 67.1
  Bottom w0.635: SW1.3 12.13,43.14 ; BT1.1 65.94,60.91 64.86,59.83 51.43,59.83 44.12,52.52 32.76,52.52 32.41,52.52 32.37,52.56 21.31,52.56 15.11,46.37 15.11,44.78 13.44,43.11 SW1.3
BUTTON: length 45.3
  Bottom w0.2: SW2.1 SW2.1 125.42,63.02 ; SW2.1 125.03,63.22 108.71,63.22 106.86,65.06 106.86,66.96 105.57,68.25 U1.11 ; SW2.1 125.31,63.02 127.41,65.11 R3.2 ; SW2.1 125.22,63.12 124.78,63.56
EYE_LED_ARRAY: length 13.3
  Bottom w0.2: U1.2 110.24,71.43 115.82,71.43 120.03,67.22 D15.1
MAIN_LED_ARRAY: length 22.8
  Bottom w0.2: U1.3 107.35,69.52 106.33,70.54 106.33,71.66 106,71.99 106,73.92 102.76,77.16 94.54,77.16 92.73,78.98 D2.1
MB_CLOCK: length 220.2
  Top w0.2: v1(64.85,33.02) 64.65,33.22 60.46,33.22 53.81,26.56 22.21,26.56 MB1.9 ; MB3.9 98.36,21.44 89.36,30.44 89.36,39.71 87.45,41.62 82.8,41.62 MB2.9 77.55,46.57 76.28,47.84 76.28,65.38 81.63,70.74 91.37,70.74 v1(91.4,70.77)
  Bottom w0.2: 72.54,9.89 72.56,9.89 72.95,10.28 72.95,28.57 68.31,33.21 68.31,33.21 65.93,33.21 65.73,33.02 65.24,33.02 65.24,33.02 v1(64.85,33.02) 64.85,34.81 76.61,46.57 MB2.9 77.85,46.57 ; 72.54,9.89 72.54,9.84 MB4.9 ; 72.54,9.89 71.72,9.07 ; MB5.9 39.85,6.33 38.36,4.84 35.08,4.84 26.26,13.66 26.26,22.68 24,24.94 22.55,24.94 19.23,28.26 MB1.9 ; U4.8 97.44,70.77 v1(91.4,70.77)
MB_CLOCK_H: length 5.2
  Bottom w0.2: U4.1 99.45,70.79 U1.13
MB_CLOCK_L: length 5.5
  Bottom w0.2: U4.2 102.67,70.26 103.4,69.52 U1.12
SCL: length 229.2
  Top w0.2: v1(65.49,33.62) 60.29,33.62 59.99,33.31 59.99,33.31 53.64,26.97 31.97,26.97 MB1.13 ; v1(96.72,23.93) 96.67,23.93 89.83,30.77 89.83,39.8 87.93,41.7 87.93,46.49 MB2.13 89.23,45.35 96.14,45.35 97.2,46.41 97.2,61.74 v1(98.45,62.99) 98.46,62.99 101.03,65.55 102.35,65.55 v1(102.36,65.56)
  Bottom w0.2: MB2.13 86.75,45.31 75.92,45.31 75.27,44.66 ; 75.02,44.41 75.27,44.66 ; 75.27,44.66 65.47,34.86 65.47,33.64 v1(65.49,33.62) 65.49,33.61 68.14,33.61 73.48,38.95 79.96,38.95 83.11,35.8 83.11,25.74 81.88,24.51 81.88,9.02 MB4.13 ; MB1.13 30.05,29.54 31.45,28.14 33.09,28.14 50.93,10.3 50.93,8.34 MB5.13 ; v1(96.72,23.93) 97.94,22.71 108.77,22.71 MB3.13 ; v1(102.36,65.56) 102.37,65.57 104.51,65.57 U1.9 ; R4.2 99.47,61.27 98.45,62.29 v1(98.45,62.99)
SDA: length 228.9
  Top w0.2: MB1.14 31.93,28.34 32.91,27.37 53.48,27.37 59.59,33.47 59.59,33.47 60.13,34.02 60.46,34.02 65.04,34.02 65.24,34.22 66.07,34.22 v1(66.07,34.21) ; v1(96.7,24.74) 96.68,24.74 90.23,31.19 90.23,39.97 88.33,41.86 88.33,43.44 89.65,44.75 v1(91.55,44.75) 91.66,44.86 96.21,44.86 97.6,46.25 97.6,61.29 101.27,64.96 102.11,64.96 102.11,64.96 102.61,64.96 102.61,64.96 v1(102.93,64.96)
  Bottom w0.2: U1.8 103.46,64.44 v1(102.93,64.96) ; v1(91.55,44.75) 91.55,44.82 90.55,45.82 MB2.14 88.81,44.84 76.01,44.84 66.07,34.89 v1(66.07,34.21) 66.27,34.01 67.98,34.01 73.32,39.36 80.12,39.36 83.52,35.96 83.52,29.67 85.68,27.5 85.68,25.81 84.42,24.56 84.42,9.02 MB4.14 ; R7.2 100.57,59.56 98.73,61.4 v1(97.8,61.4) ; MB5.14 51.54,8.42 51.54,10.26 32.26,29.54 MB1.14 ; MB3.14 110.9,23.11 98.42,23.11 96.78,24.74 v1(96.7,24.74)
UPDI: length 16.7
  Bottom w0.2: R5.1 100.49,65.58 104.69,61.38 104.69,59.96 106.26,58.39 106.26,54.75 106.88,54.13 J3.2
Net-(D1-A): length 2.7
  Bottom w0.2: D1.2 25.36,11.06 R2.2
Net-(D2-DOUT): length 14.7
  Bottom w0.2: D4.1 84.79,74.17 84.79,76.06 89.7,80.97 93.86,80.97 D2.3
Net-(D3-DOUT): length 24.4
  Bottom w0.2: D5.1 63.02,96.81 63.06,96.85 63.24,96.85 63.74,97.35 64.58,97.35 67.32,100.1 68.31,100.1 69.5,98.91 69.5,94.72 76.78,87.44 76.78,86.21 D3.3
Net-(D4-DOUT): length 21.2
  Bottom w0.2: D6.1 72.27,64.53 75.71,64.53 77.51,66.33 79.2,66.33 87.1,74.23 87.1,74.86 D4.3
Net-(D5-DOUT): length 22.8
  Bottom w0.2: D7.1 48.35,107.53 48.35,106.8 60.21,94.95 64.3,94.95 D5.3
Net-(D6-DOUT): length 27.7
  Bottom w0.2: D6.3 73.05,66.53 53.39,66.53 49.28,62.42 D8.1
Net-(D7-DOUT): length 25.7
  Bottom w0.2: D9.1 36.74,119.8 36.74,120.11 38.69,120.11 39.03,119.77 39.03,119.76 41.03,117.77 49.23,117.77 50.09,116.91 50.09,116.81 50.09,116.8 50.09,115.97 50.09,115.97 50.09,110.51 50.84,109.76 50.84,107.02 D7.3
Net-(D10-DIN): length 24.5
  Bottom w0.2: D10.1 31.58,54.23 32.67,53.14 43.86,53.14 51.4,60.68 D8.3
Net-(D10-DOUT): length 46.9
  Bottom w0.2: 63.5,80.87 D11.1 63.5,77.2 47.94,61.65 47.94,58.35 43.53,53.94 34.18,53.94 33.7,54.42 D10.3 ; D10.3 33.7,55.41 ; D10.3 33.7,54.6 33.79,54.51 ; D10.3 33.79,54.94
Net-(D11-DOUT): length 30.7
  Top w0.2: v1(45.29,86.48) 45.2,86.56 v1(42.86,86.56)
  Bottom w0.2: D11.3 65.61,81.86 64.32,83.15 64.32,83.6 63.97,83.96 63.47,83.96 63.2,83.68 48.18,83.68 45.38,86.48 v1(45.29,86.48) ; D11.3 65.61,80.34 ; D11.3 65.61,80.25 ; v1(42.86,86.56) 44.17,85.25 D12.1
Net-(D12-DOUT): length 32.8
  Bottom w0.2: D13.1 24.08,104.96 26.28,104.96 27.88,103.36 27.88,103.04 46.31,84.61 D12.3
Net-(D13-DOUT): length 17.9
  Bottom w0.2: D13.3 24.83,102.81 22.37,102.81 15.46,109.72 15.46,113.27 D14.1
Net-(D14-DOUT): length 75.7
  Bottom w0.2: D14.3 18.19,113.95 20.08,115.85 22.65,115.85 22.92,115.58 24.06,115.58 24.27,115.36 27.3,115.36 28.51,116.56 45.11,116.56 47.77,113.9 47.77,106.82 60.04,94.55 63.71,94.55 64.57,93.69 69.4,93.69 74.98,88.1 D3.1
Net-(D15-DOUT): length 22.5
  Bottom w0.2: 124.42,81.18 125.67,81.18 128.65,78.21 128.65,68.92 126.26,66.53 122.75,66.53 D15.3
Net-(D16-DIN): length 34.4
  Bottom w0.2: D9.3 37.42,117.48 24.61,117.48 18.15,123.94 18.15,134.66 D16.1
Net-(D16-DOUT): length 128.7
  Top w0.2: v1(80.86,114.24) 80.86,114.24 80.86,115.25 79.56,116.55 v1(78.53,116.55)
  Bottom w0.2: v1(80.86,114.24) 82.96,112.14 82.96,90.87 79.89,87.8 76.98,87.8 69.9,94.89 69.9,99.07 68.47,100.5 65.7,100.5 59.14,107.06 59.03,107.06 58.53,107.07 58.53,107.06 54.68,107.06 54.67,107.07 52.99,107.07 51.7,108.35 51.7,110.04 51.31,110.43 51.31,116.26 50.49,117.07 50.49,117.08 49.4,118.17 41.2,118.17 39.43,119.93 39.43,119.94 38.58,120.79 36.26,120.79 35.72,120.25 35.72,119.55 34.45,118.28 32.27,118.28 19.36,131.2 19.36,132.97 D16.3 ; v1(78.53,116.55) 78.15,116.55 77.56,115.96 D18.1
Net-(D17-DOUT): length 23.9
  Bottom w0.2: D17.3 122.01,81.55 121.24,81.55 120.53,82.25 120.53,82.88 121.52,83.86 124.33,83.86 135.61,72.58 D24.1
Net-(D18-DOUT): length 16.6
  Bottom w0.2: D19.1 76.52,123.54 75.43,122.44 75.43,121.7 75.42,121.69 75.42,111.64 77.35,109.71 78.22,109.71 D18.3
Net-(D19-DOUT): length 36.5
  Bottom w0.2: D20.1 85.61,92.67 84.31,93.97 84.31,113.96 80.02,118.25 77.92,118.25 76.22,119.95 76.22,120.93 76.74,121.45 D19.3 77.52,121.56
Net-(D20-DOUT): length 17.6
  Bottom w0.2: D21.1 86.46,105.96 89.02,103.41 89.02,91.98 87.56,90.53 D20.3
Net-(D21-DOUT): length 20.7
  Bottom w0.2: D21.3 85.8,103.85 84.71,104.94 84.71,116.44 89.6,121.34 D22.1
Net-(D22-DOUT): length 20.8
  Bottom w0.2: D22.3 89.07,119.22 88.63,118.78 88.63,117.74 89.31,117.06 89.84,117.06 91.86,119.08 91.86,126.95 92.96,128.05 92.96,131.18 92.47,131.67 92.19,131.67 ; D23.1 92.19,131.67 ; 92.19,131.67 91.86,131.67
Net-(D24-DOUT): length 11.4
  Bottom w0.2: D25.1 134.59,80.08 134.59,80.08 134.91,80.08 135.52,79.47 135.52,73.67 137.39,71.79 137.39,70.76 D24.3
Net-(J1-CC1): length 3.8
  Bottom w0.2: R6.2 20.74,20.82 J1.A5
Net-(J1-CC2): length 3.7
  Bottom w0.2: J1.B5 R8.2
Net-(SW1-B): length 49.1
  Bottom w0.2: 47.84,46.35 R1.1
  Bottom w0.635: SW1.2 12.48,40.97 15.95,44.44 15.95,46.02 21.66,51.73 32.02,51.73 32.06,51.69 39.12,51.69 44.46,46.35 C1.1 47.84,46.35 ; 49.78,45.59 49.78,45.6 48.59,45.6 R1.1 ; SW1.2 10.82,41.05
Net-(U1-~{RESET}/PA0): length 2.3
  Bottom w0.2: U1.10 102.32,66.98 R5.2
Net-(U3-EN): length 5.2
  Bottom w0.2: 49.96,50.65 49.97,50.66 ; R1.2 48.15,48.39 48.37,48.39
  Bottom w0.635: 50.75,48.39 50.75,48.39 48.37,48.39 ; U3.6 49.96,50.65
Net-(U3-L1): length 4.6
  Bottom w0.25: 50.46,44.67 U3.4
  Bottom w0.3: L1.1 49.56,43.77 50.46,44.67
Net-(U3-L2): length 4.7
  Bottom w0.25: 51.46,44.96 U3.2
  Bottom w0.3: 51.46,44.96 52.61,43.81 L1.2

## Copper pours and planes (outline as drawn; the poured copper is in the pictures)
GND on Top, Bottom: 154.36,150.06 147.86,-2.94 -32.14,1.06 -31.64,138.56 94.36,156.56 154.36,149.06
